# Allegro board DPU_PoE_A1_SizeReduce.brd (continued)
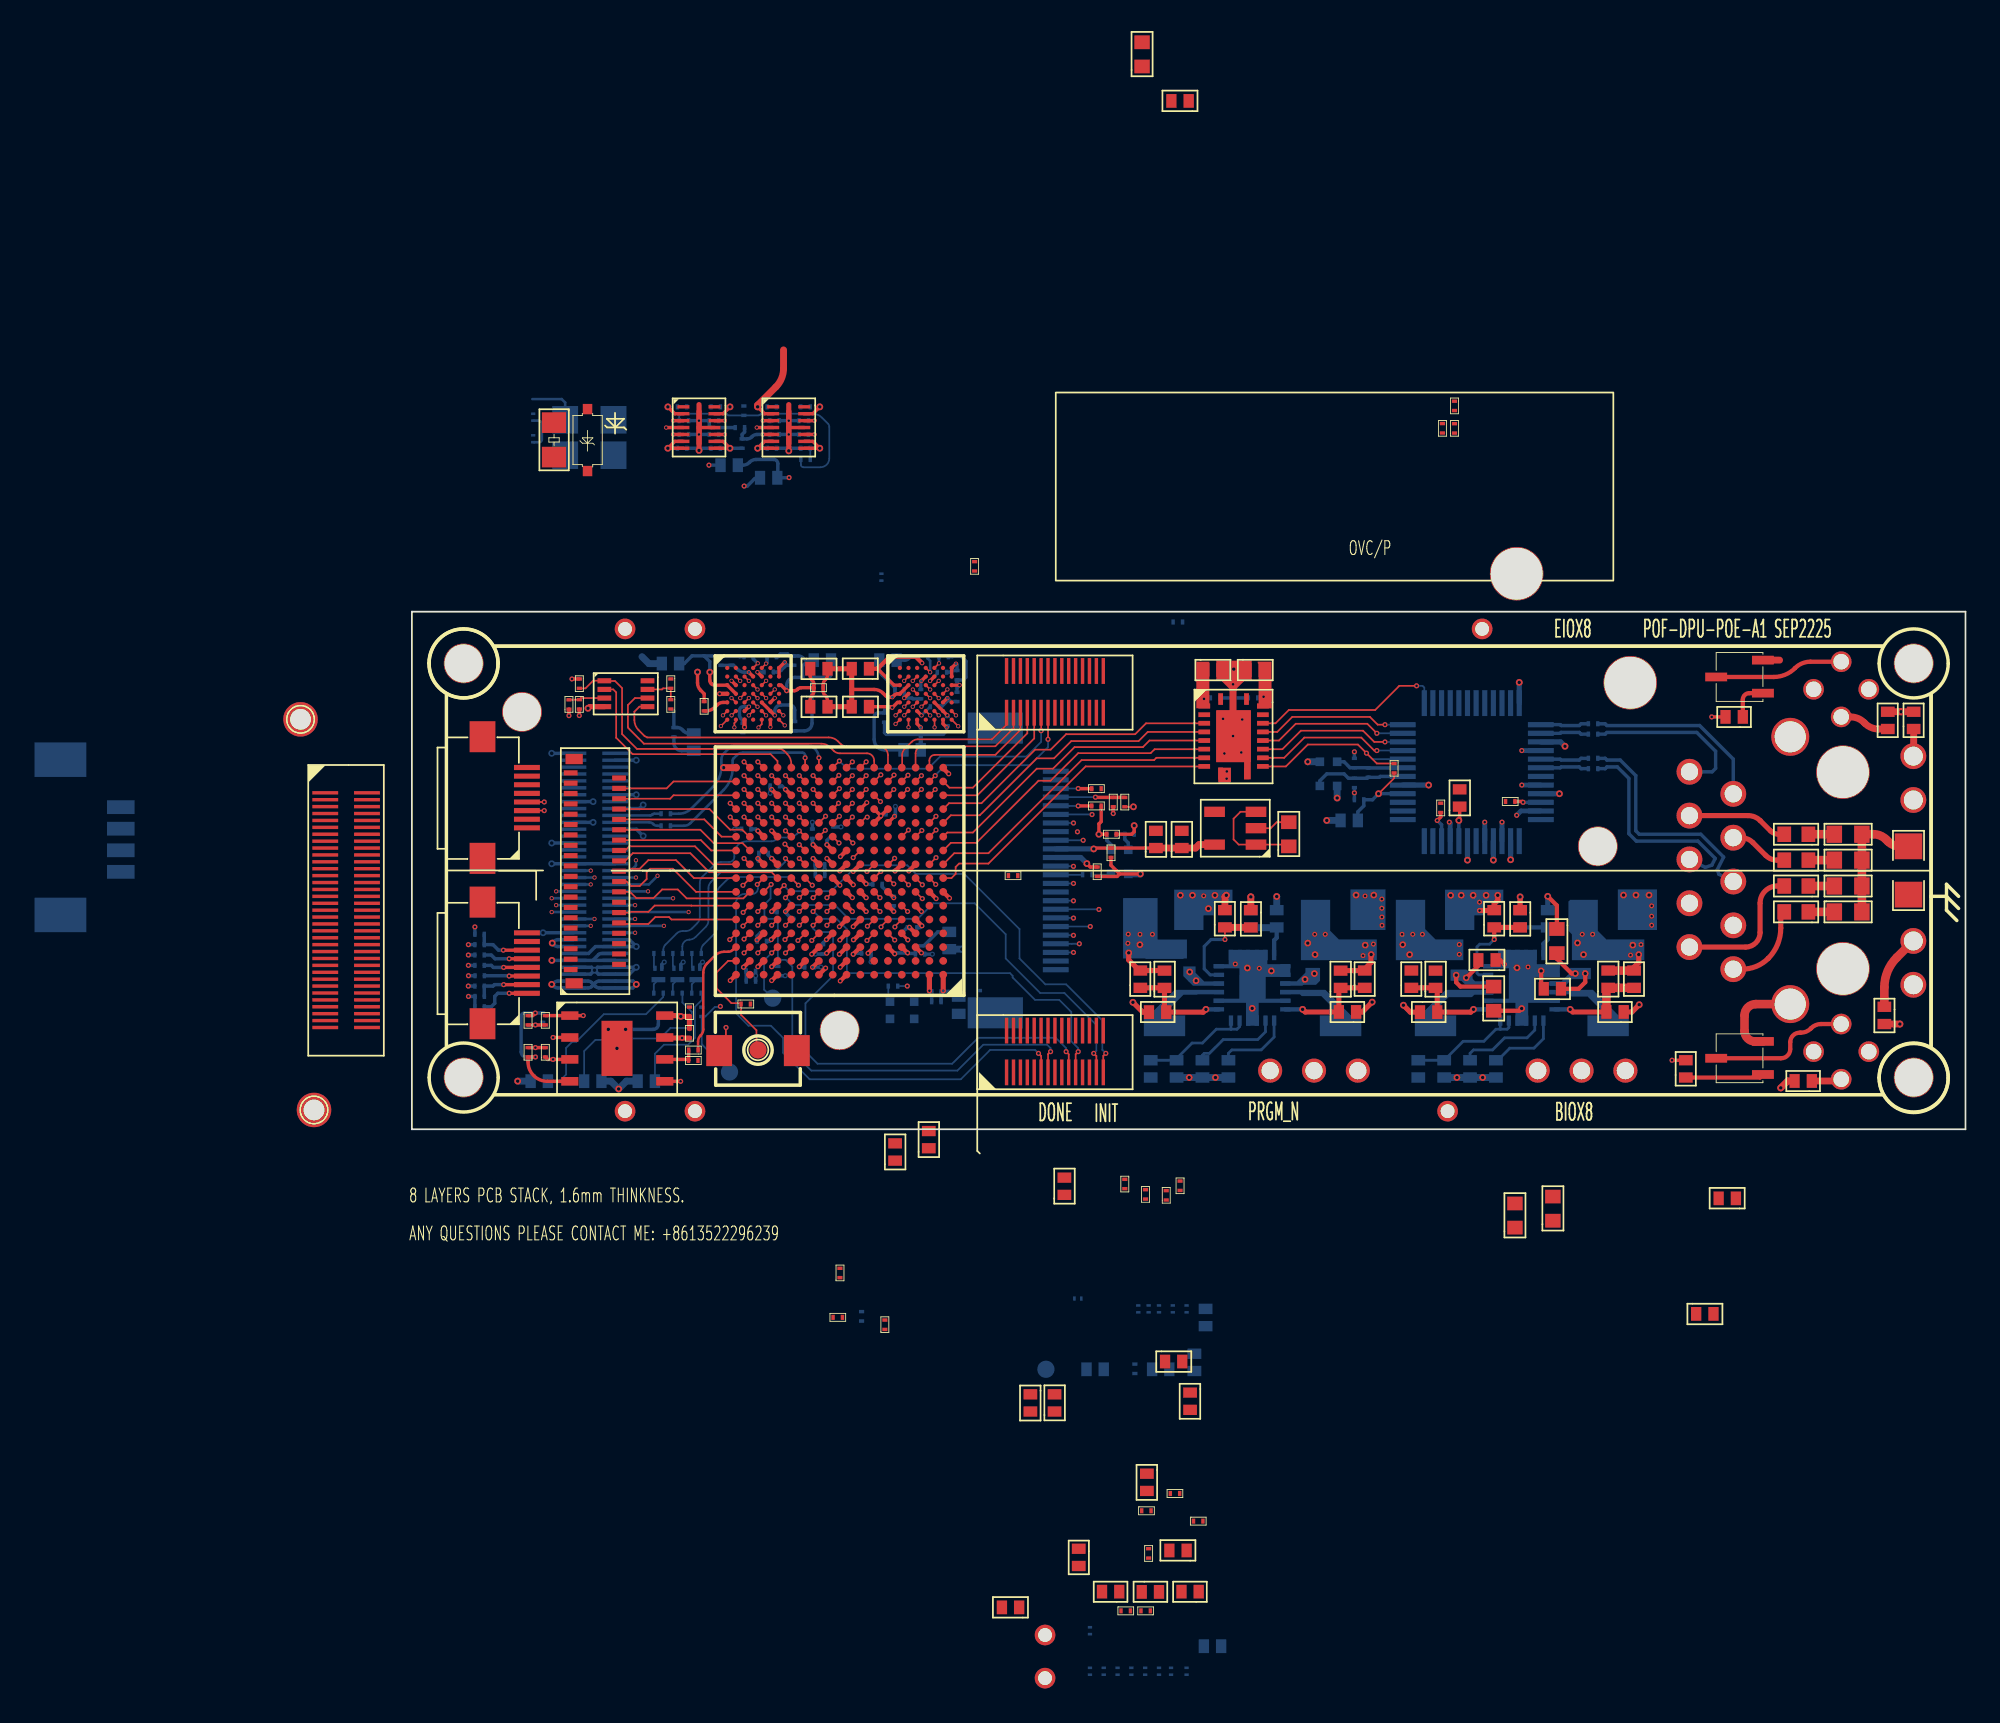
[diagram p0: board, top side]
## Footprints (pads in the part's own frame, mm; a bottom-side part is the same pattern mirrored in y, then rotated)
C0201_SMT
  rect 0.2x0.3 smd: 1(0,0) 2(0.544,0)
C0402_SMT
  rect 0.6x0.8 smd: 1(0,0) 2(1,0)
C0603_SMT
  rect 0.8x0.9 smd: 1(0,0) 2(1.4,0)
C1206_SMT
  rect 1.5x1.6 smd: 1(0.2,0.8) 2(3,0.8)
CABGA-256
  round 0.45 smd: A1(0,0) A2(0.8,0) A3(1.6,0) A4(2.4,0) A5(3.2,0) A6(4,0) A7(4.8,0) A8(5.6,0) A9(6.4,0) A10(7.2,0) A11(8,0) A12(8.8,0) A13(9.6,0) A14(10.4,0) A15(11.2,0) A16(12,0) B1(0,-0.8) B2(0.8,-0.8) B3(1.6,-0.8) B4(2.4,-0.8) B5(3.2,-0.8) B6(4,-0.8) B7(4.8,-0.8) B8(5.6,-0.8) B9(6.4,-0.8) B10(7.2,-0.8) B11(8,-0.8) B12(8.8,-0.8) B13(9.6,-0.8) B14(10.4,-0.8) B15(11.2,-0.8) B16(12,-0.8) C1(0,-1.6) C2(0.8,-1.6) C3(1.6,-1.6) C4(2.4,-1.6) C5(3.2,-1.6) C6(4,-1.6) C7(4.8,-1.6) C8(5.6,-1.6) C9(6.4,-1.6) C10(7.2,-1.6) C11(8,-1.6) C12(8.8,-1.6) C13(9.6,-1.6) C14(10.4,-1.6) C15(11.2,-1.6) C16(12,-1.6) D1(0,-2.4) D2(0.8,-2.4) D3(1.6,-2.4) D4(2.4,-2.4) D5(3.2,-2.4) D6(4,-2.4) D7(4.8,-2.4) D8(5.6,-2.4) D9(6.4,-2.4) D10(7.2,-2.4) D11(8,-2.4) D12(8.8,-2.4) D13(9.6,-2.4) D14(10.4,-2.4) D15(11.2,-2.4) D16(12,-2.4) E1(0,-3.2) E2(0.8,-3.2) E3(1.6,-3.2) E4(2.4,-3.2) E5(3.2,-3.2) E6(4,-3.2) E7(4.8,-3.2) E8(5.6,-3.2) E9(6.4,-3.2) E10(7.2,-3.2) E11(8,-3.2) E12(8.8,-3.2) E13(9.6,-3.2) E14(10.4,-3.2) E15(11.2,-3.2) E16(12,-3.2) F1(0,-4) F2(0.8,-4) F3(1.6,-4) F4(2.4,-4) F5(3.2,-4) F6(4,-4) F7(4.8,-4) F8(5.6,-4) F9(6.4,-4) F10(7.2,-4) F11(8,-4) F12(8.8,-4) F13(9.6,-4) F14(10.4,-4) F15(11.2,-4) F16(12,-4) G1(0,-4.8) G2(0.8,-4.8) G3(1.6,-4.8) G4(2.4,-4.8) G5(3.2,-4.8) G6(4,-4.8) G7(4.8,-4.8) G8(5.6,-4.8) G9(6.4,-4.8) G10(7.2,-4.8) G11(8,-4.8) G12(8.8,-4.8) G13(9.6,-4.8) G14(10.4,-4.8) G15(11.2,-4.8) G16(12,-4.8) H1(0,-5.6) H2(0.8,-5.6) H3(1.6,-5.6) H4(2.4,-5.6) H5(3.2,-5.6) H6(4,-5.6) H7(4.8,-5.6) H8(5.6,-5.6) H9(6.4,-5.6) H10(7.2,-5.6) H11(8,-5.6) H12(8.8,-5.6) H13(9.6,-5.6) H14(10.4,-5.6) H15(11.2,-5.6) H16(12,-5.6) J1(0,-6.4) J2(0.8,-6.4) J3(1.6,-6.4) J4(2.4,-6.4) J5(3.2,-6.4) J6(4,-6.4) J7(4.8,-6.4) J8(5.6,-6.4) J9(6.4,-6.4) J10(7.2,-6.4) J11(8,-6.4) J12(8.8,-6.4) J13(9.6,-6.4) J14(10.4,-6.4) J15(11.2,-6.4) J16(12,-6.4) K1(0,-7.2) K2(0.8,-7.2) K3(1.6,-7.2) K4(2.4,-7.2) K5(3.2,-7.2) K6(4,-7.2) K7(4.8,-7.2) K8(5.6,-7.2) K9(6.4,-7.2) K10(7.2,-7.2) K11(8,-7.2) K12(8.8,-7.2) K13(9.6,-7.2) K14(10.4,-7.2) K15(11.2,-7.2) K16(12,-7.2) L1(0,-8) L2(0.8,-8) L3(1.6,-8) L4(2.4,-8) L5(3.2,-8) L6(4,-8) L7(4.8,-8) L8(5.6,-8) L9(6.4,-8) L10(7.2,-8) L11(8,-8) L12(8.8,-8) L13(9.6,-8) L14(10.4,-8) L15(11.2,-8) L16(12,-8) M1(0,-8.8) M2(0.8,-8.8) M3(1.6,-8.8) M4(2.4,-8.8) M5(3.2,-8.8) M6(4,-8.8) M7(4.8,-8.8) M8(5.6,-8.8) M9(6.4,-8.8) M10(7.2,-8.8) M11(8,-8.8) M12(8.8,-8.8) M13(9.6,-8.8) M14(10.4,-8.8) M15(11.2,-8.8) M16(12,-8.8) N1(0,-9.6) N2(0.8,-9.6) N3(1.6,-9.6) N4(2.4,-9.6) N5(3.2,-9.6) N6(4,-9.6) N7(4.8,-9.6) N8(5.6,-9.6) N9(6.4,-9.6) N10(7.2,-9.6) N11(8,-9.6) N12(8.8,-9.6) N13(9.6,-9.6) N14(10.4,-9.6) N15(11.2,-9.6) N16(12,-9.6) P1(0,-10.4) P2(0.8,-10.4) P3(1.6,-10.4) P4(2.4,-10.4) P5(3.2,-10.4) P6(4,-10.4) P7(4.8,-10.4) P8(5.6,-10.4) P9(6.4,-10.4) P10(7.2,-10.4) P11(8,-10.4) P12(8.8,-10.4) P13(9.6,-10.4) P14(10.4,-10.4) P15(11.2,-10.4) P16(12,-10.4) R1(0,-11.2) R2(0.8,-11.2) R3(1.6,-11.2) R4(2.4,-11.2) R5(3.2,-11.2) R6(4,-11.2) R7(4.8,-11.2) R8(5.6,-11.2) R9(6.4,-11.2) R10(7.2,-11.2) R11(8,-11.2) R12(8.8,-11.2) R13(9.6,-11.2) R14(10.4,-11.2) R15(11.2,-11.2) R16(12,-11.2) T1(0,-12) T2(0.8,-12) T3(1.6,-12) T4(2.4,-12) T5(3.2,-12) T6(4,-12) T7(4.8,-12) T8(5.6,-12) T9(6.4,-12) T10(7.2,-12) T11(8,-12) T12(8.8,-12) T13(9.6,-12) T14(10.4,-12) T15(11.2,-12) T16(12,-12)
CONN-1X3P-2D54
  round 1.4 hole 1: 1(0,0) 2(2.54,0) 3(5.08,0)
DF40HC-70DS_
  rect 0.2x1.5 smd: 1(0,-2.42) 2(0,0) 3(0.4,-2.42) 4(0.4,0) 5(0.8,-2.42) 6(0.8,0) 7(1.2,-2.42) 8(1.2,0) 9(1.6,-2.42) 10(1.6,0) 11(2,-2.42) 12(2,0) 13(2.4,-2.42) 14(2.4,0) 15(2.8,-2.42) 16(2.8,0) 17(3.2,-2.42) 18(3.2,0) 19(3.6,-2.42) 20(3.6,0) 21(4,-2.42) 22(4,0) 23(4.4,-2.42) 24(4.4,0) 25(4.8,-2.42) 26(4.8,0) 27(5.2,-2.42) 28(5.2,0) 29(5.6,-2.42) 30(5.6,0) 31(6,-2.42) 32(6,0) 33(6.4,-2.42) 34(6.4,0) 35(6.8,-2.42) 36(6.8,0) 37(7.2,-2.42) 38(7.2,0) 39(7.6,-2.42) 40(7.6,0) 41(8,-2.42) 42(8,0) 43(8.4,-2.42) 44(8.4,0) 45(8.8,-2.42) 46(8.8,0) 47(9.2,-2.42) 48(9.2,0) 49(9.6,-2.42) 50(9.6,0) 51(10,-2.42) 52(10,0) 53(10.4,-2.42) 54(10.4,0) 55(10.8,-2.42) 56(10.8,0) 57(11.2,-2.42) 58(11.2,0) 59(11.6,-2.42) 60(11.6,0) 61(12,-2.42) 62(12,0) 63(12.4,-2.42) 64(12.4,0) 65(12.8,-2.42) 66(12.8,0) 67(13.2,-2.42) 68(13.2,0) 69(13.6,-2.42) 70(13.6,0)
DF40HC_3D0_30DS_0D4
  rect 0.2x1.5 smd: 1(0,-2.42) 2(0,0) 3(0.4,-2.42) 4(0.4,0) 5(0.8,-2.42) 6(0.8,0) 7(1.2,-2.42) 8(1.2,0) 9(1.6,-2.42) 10(1.6,0) 11(2,-2.42) 12(2,0) 13(2.4,-2.42) 14(2.4,0) 15(2.8,-2.42) 16(2.8,0) 17(3.2,-2.42) 18(3.2,0) 19(3.6,-2.42) 20(3.6,0) 21(4,-2.42) 22(4,0) 23(4.4,-2.42) 24(4.4,0) 25(4.8,-2.42) 26(4.8,0) 27(5.2,-2.42) 28(5.2,0) 29(5.6,-2.42) 30(5.6,0)
DFN-3-1X0D6
  rect 0.2x0.3 smd: 1(0.2,0.34) 2(-0.2,0.34)
  rect 0.8x0.3 smd: 3(0,-0.32)
DSN0603-2
  rect 0.15x0.25 smd: 1(0,0) 2(0.4,0)
FH35C-39S-0D3SHW
  rect 0.3x0.8 smd: 1(5.7,0) 2(5.4,2.8) 3(5.1,0) 4(4.8,2.8) 5(4.5,0) 6(4.2,2.8) 7(3.9,0) 8(3.6,2.8) 9(3.3,0) 10(3,2.8) 11(2.7,0) 12(2.4,2.8) 13(2.1,0) 14(1.8,2.8) 15(1.5,0) 16(1.2,2.8) 17(0.9,0) 18(0.6,2.8) 19(0.3,0) 20(0,2.8) 21(-0.3,0) 22(-0.6,2.8) 23(-0.9,0) 24(-1.2,2.8) 25(-1.5,0) 26(-1.8,2.8) 27(-2.1,0) 28(-2.4,2.8) 29(-2.7,0) 30(-3,2.8) 31(-3.3,0) 32(-3.6,2.8) 33(-3.9,0) 34(-4.2,2.8) 35(-4.5,0) 36(-4.8,2.8) 37(-5.1,0) 38(-5.4,2.8) 39(-5.7,0)
  rect 0.6x1 smd: 40(6.5,0.2) 41(-6.5,0.2)
FPC-0D5-8P
  rect 0.3x1.5 smd: 1(0,0) 2(0.5,0) 3(1,0) 4(1.5,0) 5(2,0) 6(2.5,0) 7(3,0) 8(3.5,0)
  rect 1.8x1.5 smd: 9(-1.767,2.573) 10(5.283,2.573)
FPC-0D5-24P
  rect 0.3x1.5 smd: 1(11.5,0) 2(11,0) 3(10.5,0) 4(10,0) 5(9.5,0) 6(9,0) 7(8.5,0) 8(8,0) 9(7.5,0) 10(7,0) 11(6.5,0) 12(6,0) 13(5.5,0) 14(5,0) 15(4.5,0) 16(4,0) 17(3.5,0) 18(3,0) 19(2.5,0) 20(2,0) 21(1.5,0) 22(1,0) 23(0.5,0) 24(0,0)
  rect 1.8x3.2 smd: 25(-2.5,-3.5) 26(14,-3.5)
IND_SMD_4D4X4D2
  rect 1.05x2.2 smd: 1(0,0) 2(4.4,0)
L0201_SMT
  rect 0.2x0.3 smd: 1(0,0) 2(0.544,0)
LD_CIR_THR_4P
  round 1.2 hole 0.9: 1(1.6,0) 2(-1.6,0) 3(0,1.6) 4(0,-1.6)
LED0402_SMT
  rect 0.6x0.8 smd: 1(0,0) 2(1,0)
LQFP-48
  rect 0.3x1.5 smd: 1(-2.75,-4) 2(-2.25,-4) 3(-1.75,-4) 4(-1.25,-4) 5(-0.75,-4) 6(-0.25,-4) 7(0.25,-4) 8(0.75,-4) 9(1.25,-4) 10(1.75,-4) 11(2.25,-4) 12(2.75,-4) 25(2.75,4) 26(2.25,4) 27(1.75,4) 28(1.25,4) 29(0.75,4) 30(0.25,4) 31(-0.25,4) 32(-0.75,4) 33(-1.25,4) 34(-1.75,4) 35(-2.25,4) 36(-2.75,4)
  rect 1.5x0.3 smd: 13(4,-2.75) 14(4,-2.25) 15(4,-1.75) 16(4,-1.25) 17(4,-0.75) 18(4,-0.25) 19(4,0.25) 20(4,0.75) 21(4,1.25) 22(4,1.75) 23(4,2.25) 24(4,2.75) 37(-4,2.75) 38(-4,2.25) 39(-4,1.75) 40(-4,1.25) 41(-4,0.75) 42(-4,0.25) 43(-4,-0.25) 44(-4,-0.75) 45(-4,-1.25) 46(-4,-1.75) 47(-4,-2.25) 48(-4,-2.75)
R0201_SMT
  rect 0.2x0.3 smd: 1(0,0) 2(0.544,0)
R0402_SMT
  rect 0.6x0.8 smd: 1(0,0) 2(1,0)
R0603_SMT
  rect 0.9x1 smd: 1(0,0) 2(1.6,0)
R0805
  rect 1.2x1.4 smd: 1(0,0) 2(2,0)
RJ-45-POE
  round 1.5 hole 1: 1(5.72,-8.89) 2(4.44,-6.35) 3(3.18,-8.89) 4(1.9,-6.35) 5(0.64,-8.89) 6(-0.64,-6.35) 7(-1.9,-8.89) 8(-3.18,-6.35) 9(-4.44,-8.89) 10(-5.72,-6.35)
  round 1.5 hole 1.1: 11(6.625,4.08) 12(4.085,4.08) 13(-4.085,4.08) 14(-6.625,4.08)
  round 2.2 hole 1.8: GND1(-7.745,-3.05) GND2(7.745,-3.05)
SMD2016-4P
  rect 0.5x0.5 smd: 1(0,-1) 2(1.4,-1) 3(1.4,0) 4(0,0)
SMD-1D25-4P-DEG0
  rect 0.8x1.6 smd: 1(0,0) 2(1.25,0) 3(2.5,0) 4(3.75,0)
  rect 2x3 smd: 5(6.5,-3.5) 6(-2.5,-3.5)
SOD-123
  rect 0.6x0.55 smd: 1(-1.795,0.005) 2(1.795,0.005)
SOT23-3
  rect 0.51x1.27 smd: 1(0.476,0.434) 2(2.391,0.434) 3(1.415,3.142)
SOT-23-5
  rect 1.2x0.6 smd: 1(0,0) 2(0,-0.95) 3(0,-1.9) 4(2.4,-1.9) 5(2.4,0)
SW_SMD_2P_L3D9_W3D0_P4D5
  rect 1.5x1.8 smd: 1(0,0) 2(4.5,0)
TP_SMD_1D0_NP
  round 1 smd: 1(0,0)
TP_THR_CIR_0D8_1D2
  round 1.2 hole 0.8: 1(0,0)
TP_THR_CIR_2D0_1D2
  round 2 hole 1.2: 1(0,0)
TQFN-24
  rect 0.25x0.6 smd: 1(-1.25,-1.9) 2(-0.75,-1.9) 3(-0.25,-1.9) 4(0.25,-1.9) 5(0.75,-1.9) 6(1.25,-1.9) 13(1.25,1.9) 14(0.75,1.9) 15(0.25,1.9) 16(-0.25,1.9) 17(-0.75,1.9) 18(-1.25,1.9)
  rect 0.6x0.25 smd: 7(1.95,-1.25) 8(1.95,-0.75) 9(1.95,-0.25) 10(1.95,0.25) 11(1.95,0.75) 12(1.95,1.25) 19(-1.9,1.25) 20(-1.9,0.75) 21(-1.9,0.25) 22(-1.9,-0.25) 23(-1.9,-0.75) 24(-1.9,-1.25)
  rect 1.5x1.5 smd: EPAD(0,0)
UDFN-8-2X3
  rect 0.3x0.8 smd: 1(0,-2.5) 2(0.5,-2.5) 3(1,-2.5) 4(1.5,-2.5) 5(1.5,0) 6(1,0) 7(0.5,0) 8(0,0)
unnamed
  round 3.1 hole 3 unplated: (0,0)
unnamed#2
  round 2.3 hole 2.2 unplated: (0,0)
VQFN-20
  rect 0.68x0.28 smd: 1(-2.157,-0.75) 10(2.158,-0.75) 11(2.158,0.75) 20(-2.157,0.75)
  rect 0.28x0.68 smd: 2(-1.75,-1.7) 3(-1.25,-1.7) 4(-0.75,-1.7) 5(-0.25,-1.7) 6(0.25,-1.7) 7(0.75,-1.7) 8(1.25,-1.7) 9(1.75,-1.7) 12(1.75,1.7) 13(1.25,1.7) 14(0.75,1.7) 15(0.25,1.7) 16(-0.25,1.7) 17(-0.75,1.7) 18(-1.25,1.7) 19(-1.75,1.7)
  rect 3x2 smd: EPAD(0,0)
WFBGA-49
  round 0.25 smd: A1(0,0) A2(0.5,0) A3(1,0) A4(1.5,0) A5(2,0) A6(2.5,0) A7(3,0) B1(0,-0.5) B2(0.5,-0.5) B3(1,-0.5) B4(1.5,-0.5) B5(2,-0.5) B6(2.5,-0.5) B7(3,-0.5) C1(0,-1) C2(0.5,-1) C3(1,-1) C4(1.5,-1) C5(2,-1) C6(2.5,-1) C7(3,-1) D1(0,-1.5) D2(0.5,-1.5) D3(1,-1.5) D4(1.5,-1.5) D5(2,-1.5) D6(2.5,-1.5) D7(3,-1.5) E1(0,-2) E2(0.5,-2) E3(1,-2) E4(1.5,-2) E5(2,-2) E6(2.5,-2) E7(3,-2) F1(0,-2.5) F2(0.5,-2.5) F3(1,-2.5) F4(1.5,-2.5) F5(2,-2.5) F6(2.5,-2.5) F7(3,-2.5) G1(0,-3) G2(0.5,-3) G3(1,-3) G4(1.5,-3) G5(2,-3) G6(2.5,-3) G7(3,-3)
WSON-8-EP-6X5MM
  rect 1x0.5 smd: 1(-2.73,1.9) 2(-2.73,0.63) 3(-2.73,-0.64) 4(-2.73,-1.91) 5(2.77,-1.91) 6(2.77,-0.64) 7(2.77,0.63) 8(2.77,1.9)
  rect 1.8x3.2 smd: EP(0,0)
WSON-14-EP
  rect 0.2x0.7 smd: 1(0,-1.8) 2(0.4,-1.8) 3(0.8,-1.8) 4(1.2,-1.8) 5(1.6,-1.8) 6(2,-1.8) 7(2.4,-1.8) 8(2.4,0) 9(2,0) 10(1.6,0) 11(1.2,0) 12(0.8,0) 13(0.4,0) 14(0,0)
  rect 2x0.3 smd: EP(1.197,-0.895)

## Nets
GND: C1.1 C2.2 C3.2 C4.2 C5.1 C6.1 C7.2 C8.1 C9.1 C10.1 C11.2 C12.1 C13.1 C14.1 C17.1 C18.1 C19.1 C20.1 C21.1 C22.1 C23.1 C24.2 C25.2 C26.1 C27.1 C29.2 C30.2 C31.2 C32.1 C34.2 C36.1 C37.1 C38.1 C40.1 C41.1 C43.1 C44.2 C45.1 C46.1 C47.1 C48.2 C49.2 C50.1 C51.1 C54.2 C55.1 C56.1 C57.2 C58.1 C59.1 C60.1 C61.1 C62.1 C63.1 C64.1 C65.1 C66.1 C67.2 C68.2 C69.2 C70.1 C71.1 C72.1 C73.1 C74.1 C75.1 C76.1 C77.1 C78.1 C79.1 C80.1 C81.1 C82.2 C83.1 C84.1 C85.1 C86.1 C87.1 C88.1 C89.2 C90.2 C91.1 C92.2 C93.2 C94.2 C95.1 C96.1 C97.2 C98.2 C99.1 C100.1 C101.1 C102.2 C103.1 C104.2 C105.2 C106.1 C107.1 C108.1 C109.1 C110.1 C111.2 C112.1 C113.1 C114.1 C115.1 C116.2 C117.1 C118.1 C119.2 C120.1 C121.2 C122.1 C123.1 C124.1 C125.1 C126.1 C127.2 C128.2 C129.2 C130.1 C131.2 C132.1 C133.1 C134.1 C135.1 C136.2 C137.1 C138.2 C139.1 C140.1 C141.1 C142.2 C143.1 C144.2 C145.2 C146.1 D1.1 D2.1 D3.1 D4.1 D5.1 D6.1 D7.2 D8.1 D9.1 D10.1 D11.1 D12.1 D13.1 D14.1 D15.1 D16.1 D20.1 D21.1 D22.1 J3.61 J3.62 J3.63 J3.64 J3.65 J3.66 J3.67 J3.68 J3.69 J3.70 J4.6 J4.8 J4.10 J4.12 J5.7 J5.9 J5.10 J6.2 J6.15 J6.25 J6.26 J7.5 J7.6 J7.7 J7.8 J7.11 J7.14 J7.16 J7.17 J7.37 J7.38 J7.43 J7.48 J7.49 J7.54 J7.55 J7.58 J7.68 J7.69 J8.1 J8.5 J8.6 J9.5 J9.6 J9.9 J9.10 J10.3 J11.3 Q1.2(E) Q2.2(E) Q3.2(EMITTER) Q4.2(EMITTER) Q5.2(EMITTER) R3.1 R4.1 R13.2 R15.2 R19.2 R32.2 R33.2 R37.2 R40.1 R41.1 R42.1 R45.1 R56.2 R58.2 R70.1 R71.1 R72.1 R73.1 R86.2 R90.1 SW1.1 TP3.1(TP) U1.A7 U1.B4 U1.B7 U1.C2 U1.D1 U1.E6 U1.G3 U1.G6(VSSQ#G6) U2.A7 U2.B4 U2.B7 U2.C2 U2.D1 U2.E6 U2.G3 U2.G6(VSSQ#G6) U3.11 U3.EPAD U4.4 U5.11 U5.EP U6.11 U6.EP U7.A1 U7.A8 U7.A10 U7.A13 U7.A16 U7.B8 U7.B10 U7.B14(VSSSD#B14) U7.C3 U7.C6 U7.C9 U7.C10 U7.D3 U7.D8 U7.D14 U7.E7 U7.E8 U7.F3 U7.F12 U7.G1 U7.G2 U7.G5 U7.G8 U7.H8 U7.H9 U7.J3 U7.J7 U7.J8 U7.J9 U7.J14 U7.L13 U7.M5 U7.N7 U7.P13 U7.T1 U7.T16 U8.2 U9.4 U9.EP U11.3 U11.4 U11.8 U11.12 U11.13 U11.14 U11.15 U11.16 U11.17 U11.19 U11.20 U11.23 U11.EPAD U12.3 U12.9 U12.14 U12.16 U12.19 U12.29 U12.48 U13.GND1 U13.GND2 U14.3 U14.4 U14.8 U14.12 U14.13 U14.14 U14.15 U14.16 U14.17 U14.19 U14.20 U14.23 U14.EPAD Y1.40 Y1.41 Y2.2 Y2.4(GND#4) Y3.2 Y4.2
GND_EARTH: C35.1
P1V0: C53.2 C60.2 C105.1 C111.1 C113.2 C116.1 C127.1 C128.1 C129.1 C130.2 C131.1 C134.2 C135.2 C136.1 C138.1 C144.1 L3.2 R47.2 U7.A2 U7.B15 U7.C4 U7.C5 U7.C7 U7.D7 U7.D9 U7.H7 U7.J10 U7.K9
P1V5: C29.1 C34.1 C48.1 J6.10 U8.5(OUT)
P1V8: C1.2 C3.1 C4.1 C5.2 C6.2 C7.1 C9.2 C10.2 C11.1 C12.2 C17.2 C18.2 C19.2 C22.2 C30.1 C31.1 C47.2 C49.1 C52.2 C54.1 C55.2 C57.1 C59.2 C63.2 C64.2 C65.2 C66.2 C67.1 C68.1 C69.1 C70.2 C71.2 C72.2 C74.2 C75.2 C76.2 C77.2 C78.2 C79.2 C80.2 C81.2 C82.1 C83.2 C84.2 C85.2 C86.2 C87.2 C88.2 C89.1 C90.1 C94.1 C96.2 C99.2 C100.2 C104.1 C106.2 C117.2 C123.2 C124.2 C125.2 C126.2 C132.2 C133.2 C137.2 C139.2 C140.2 C141.2 C145.1 C146.2 J2.23 J2.25 J2.27 J2.29 J5.8 J6.11 J9.1 J9.2 L4.2 R11.1 R12.1 R14.1 R16.1 R17.1 R28.2 R39.2 R46.2 R48.1 R50.2 R51.2 R52.2 R53.2 R55.2 R61.1 R62.2 R63.1 R64.2 R85.1 R87.1 R88.1 R89.1 U1.B5 U1.C1 U1.C7 U1.D2 U1.E1 U1.E5 U1.F3 U1.F6 U2.B5 U2.C1 U2.C7 U2.D2 U2.E1 U2.E5 U2.F3 U2.F6 U3.2 U3.10 U4.8 U5.1 U5.2 U7.B11 U7.B13 U7.C8 U7.D13 U7.E3 U7.F5 U7.F7 U7.F8 U7.F13 U7.G7 U7.J4 U7.J13 U7.K8 U7.K10 U7.L14 U7.M6 U7.N5 U7.N6 U7.P12 U8.1 U8.3 U9.8 Y1.39 Y3.4(VCC) Y4.4(VCC)
P2V8: C16.2 C23.2 C24.1 C97.1 D17.2 D18.2 D19.2 FB1.1 FB3.1 J4.16 J4.18 J4.20 J4.22 L1.2 R9.2
P3V3: C2.1 C8.2 C15.2 C27.2 C40.2 C73.2 C91.2 C92.1 C93.1 C98.1 C102.1 C119.1 C142.1 FB2.1 J4.24 J4.26 J4.28 J4.30 J9.7 J9.8 L2.2 R6.2 R7.2 R8.2 R10.1 R21.2 R24.2 R49.2 R60.2 U3.19(VCCB) U6.1 U6.2 U6.6 U6.7 U12.28 U12.43 U12.44 U12.45 Y1.4
P3V3A: C36.2 C37.2 C41.2 C45.2 C46.2 FB2.2 U12.4 U12.8 U12.11 U12.15 U12.17 U12.21
P5V0: C13.2 C14.2 C20.2 C21.2 C50.2 C51.2 C61.2 C62.2 C107.2 C121.1 C122.2 D7.1(CATHODE) D20.2 F1.2 J8.4 J10.1 J11.1 R1.2 R18.1 R35.2 R57.1 R65.2 R66.2 R67.2 R76.2 R77.2 R84.2 U5.4 U5.6 U5.7 U6.4 U11.10 U11.21 U14.10 U14.21
P5V0_IN: F1.1 J3.25 J3.26 J3.27 J3.28 J3.29 J3.30 J3.31 J3.32 J3.33 J3.34 TP1.1(TP)
ACTLED: U12.27 U13.12
BIO-1: D16.2
BIO-2: D10.2 J4.2
BIO-3: D15.2 U7.G11
BIO-4: D13.2
BIO-5: D14.2
BIO-6: D12.2
BIO-7: D11.2
BIO-7_3296077: R91.2 R92.2
BIO-8: D8.2 J4.3 U7.H10
BIO-9: D9.2 J4.1 U7.H11
C13: TP8.1(TP) U7.C13
DONE: R53.1 TP4.1(TP) U7.B16
DVP_D0: J6.19 U7.E4
DVP_D1: J6.21 U7.E6
DVP_D2: J6.22 U7.D6
DVP_D3: J6.20 U7.E5
DVP_D4: J6.18 U7.D5
DVP_D5: J6.16 U7.F6
DVP_D6: J6.14 U7.G3
DVP_D7: J6.12 U7.H2
DVP_HSYNC: J6.9 U7.H3
DVP_MCLK: J6.13 R30.2
DVP_PCLK: J6.17 U7.F4
DVP_PWDN: J6.8 U7.J2
DVP_RST: J6.6 U7.J5
DVP_SCL: J6.5 R17.2 U7.L3
DVP_SDA: J6.3 R16.2 U7.M2
DVP_VSYNC: J6.7(VSYNC) U7.H4
E_CSN: U3.9 U7.H1
E_INT: U3.5 U7.M1
E_MISO: U3.7 U7.K1
E_MOSI: U3.6 U7.L1
E_RST: U3.4 U7.N1
E_SCLK: U3.8 U7.J1
EIO-1: D3.2 J2.26 U7.L6
EIO-2: J2.4 U7.H5
EIO-3: D1.2 J2.2 U7.H6
EIO-4: D6.2 J2.12 U7.G6
EIO-5: D2.2 J2.28 U7.J6
EIO-6: J2.10 U7.G4
EIO-7: D5.2 J2.18 U7.K6
EIO-8: D4.2 J2.20 U7.K5
EN_ME1: R35.1 R36.1 U14.5 U14.6
EN_ME2: R1.1 R2.1 U11.5 U11.6
ETH_CSN: R24.1 U3.12 U12.32
ETH_INT: R21.1 U3.16 U12.36
ETH_MISO: U3.14 U12.34
ETH_MOSI: U3.15 U12.35
ETH_RST: C25.1 R10.2 U3.17 U12.37
ETH_SCLK: U3.13 U12.33
FP_LED0: J9.3 U7.M7
FP_LED1: J9.4 U7.M8
H1_CKN: U2.B2 U7.T8
H1_CKP: U2.B3 U7.T7
H1_CS: R62.1 U2.A4 U7.P5
H1_D0: U2.D4 U7.P7
H1_D1: U2.D3 U7.R8
H1_D2: U2.C5 U7.P3
H1_D3: U2.D5 U7.R4
H1_D4: U2.D6 U7.P4
H1_D5: U2.E4 U7.R5
H1_D6: U2.E3 U7.R6
H1_D7: U2.E2 U7.R7
H1_D8: U2.F5 U7.L10
H1_D9: U2.F1 U7.R9
H1_D10: U2.F7 U7.L8
H1_D11: U2.F2 U7.P8
H1_D12: U2.G5 U7.M9
H1_D13: U2.G1 U7.P9
H1_D14: U2.G7 U7.L9
H1_D15: U2.G2 U7.N9
H1_RST: R61.2 U2.A5 U7.P6
H1_RWDS0: U2.C4 U7.R3
H1_RWDS1: U2.F4 U7.N8
H2_CKN: U1.B2 U7.T15
H2_CKP: U1.B3 U7.T14
H2_CS: R64.1 U1.A4 U7.R10
H2_D0: U1.D4 U7.N12
H2_D1: U1.D3 U7.N13
H2_D2: U1.C5 U7.P11
H2_D3: U1.D5 U7.R12
H2_D4: U1.D6 U7.N11
H2_D5: U1.E4 U7.R13
H2_D6: U1.E3 U7.R14
H2_D7: U1.E2 U7.P14
H2_D8: U1.F5 U7.M11
H2_D9: U1.F1 U7.N15
H2_D10: U1.F7 U7.N10
H2_D11: U1.F2 U7.R15
H2_D12: U1.G5 U7.M12
H2_D13: U1.G1 U7.P15
H2_D14: U1.G7 U7.M10
H2_D15: U1.G2 U7.N14
H2_RST: R63.2 U1.A5 U7.P10
H2_RWDS0: U1.C4 U7.R11
H2_RWDS1: U1.F4 U7.M13
INIT_N: R48.2 TP2.1(TP) U7.D11
IO-1: Y1.1
IO-2: Y1.3
IO-3: U7.R16 Y1.36
IO-4: U7.P16 Y1.34
IO-5: U7.L15 Y1.32
IO-6: U7.L16 Y1.30
IO-7: U7.K15 Y1.28
IO-8: U7.K16 Y1.26
IO-9: U7.J16 Y1.24
IO-10: U7.H13 Y1.22
IO-11: U7.H16 Y1.20
IO-12: U7.G16 Y1.18
IO-13: U7.G15 Y1.16
IO-14: U7.F16 Y1.12
IO-15: U7.E16 Y1.10
IO_E10: J4.19 U7.E10
IO_F10: J4.21 U7.F10
IO_G12: J4.27 U7.G12
IO_G13: J4.29 U7.G13
IO_G14: J4.13 U7.G14
IO_H14: J4.11 U7.H14
IO_LED_1: R80.1 U7.L11
IO_LED_2: R79.1 U7.J12
IO_LED_3: R78.1 U7.H12
IO_P1: J2.9 U7.P1
IO_R1: J2.7 U7.R1
IO_R2: J2.13 U7.R2
IO_T2: J2.5 U7.T2